# KiCad board Rogelio Pineda - connect 5 AMLDC-2044B.kicad_pcb (continued)
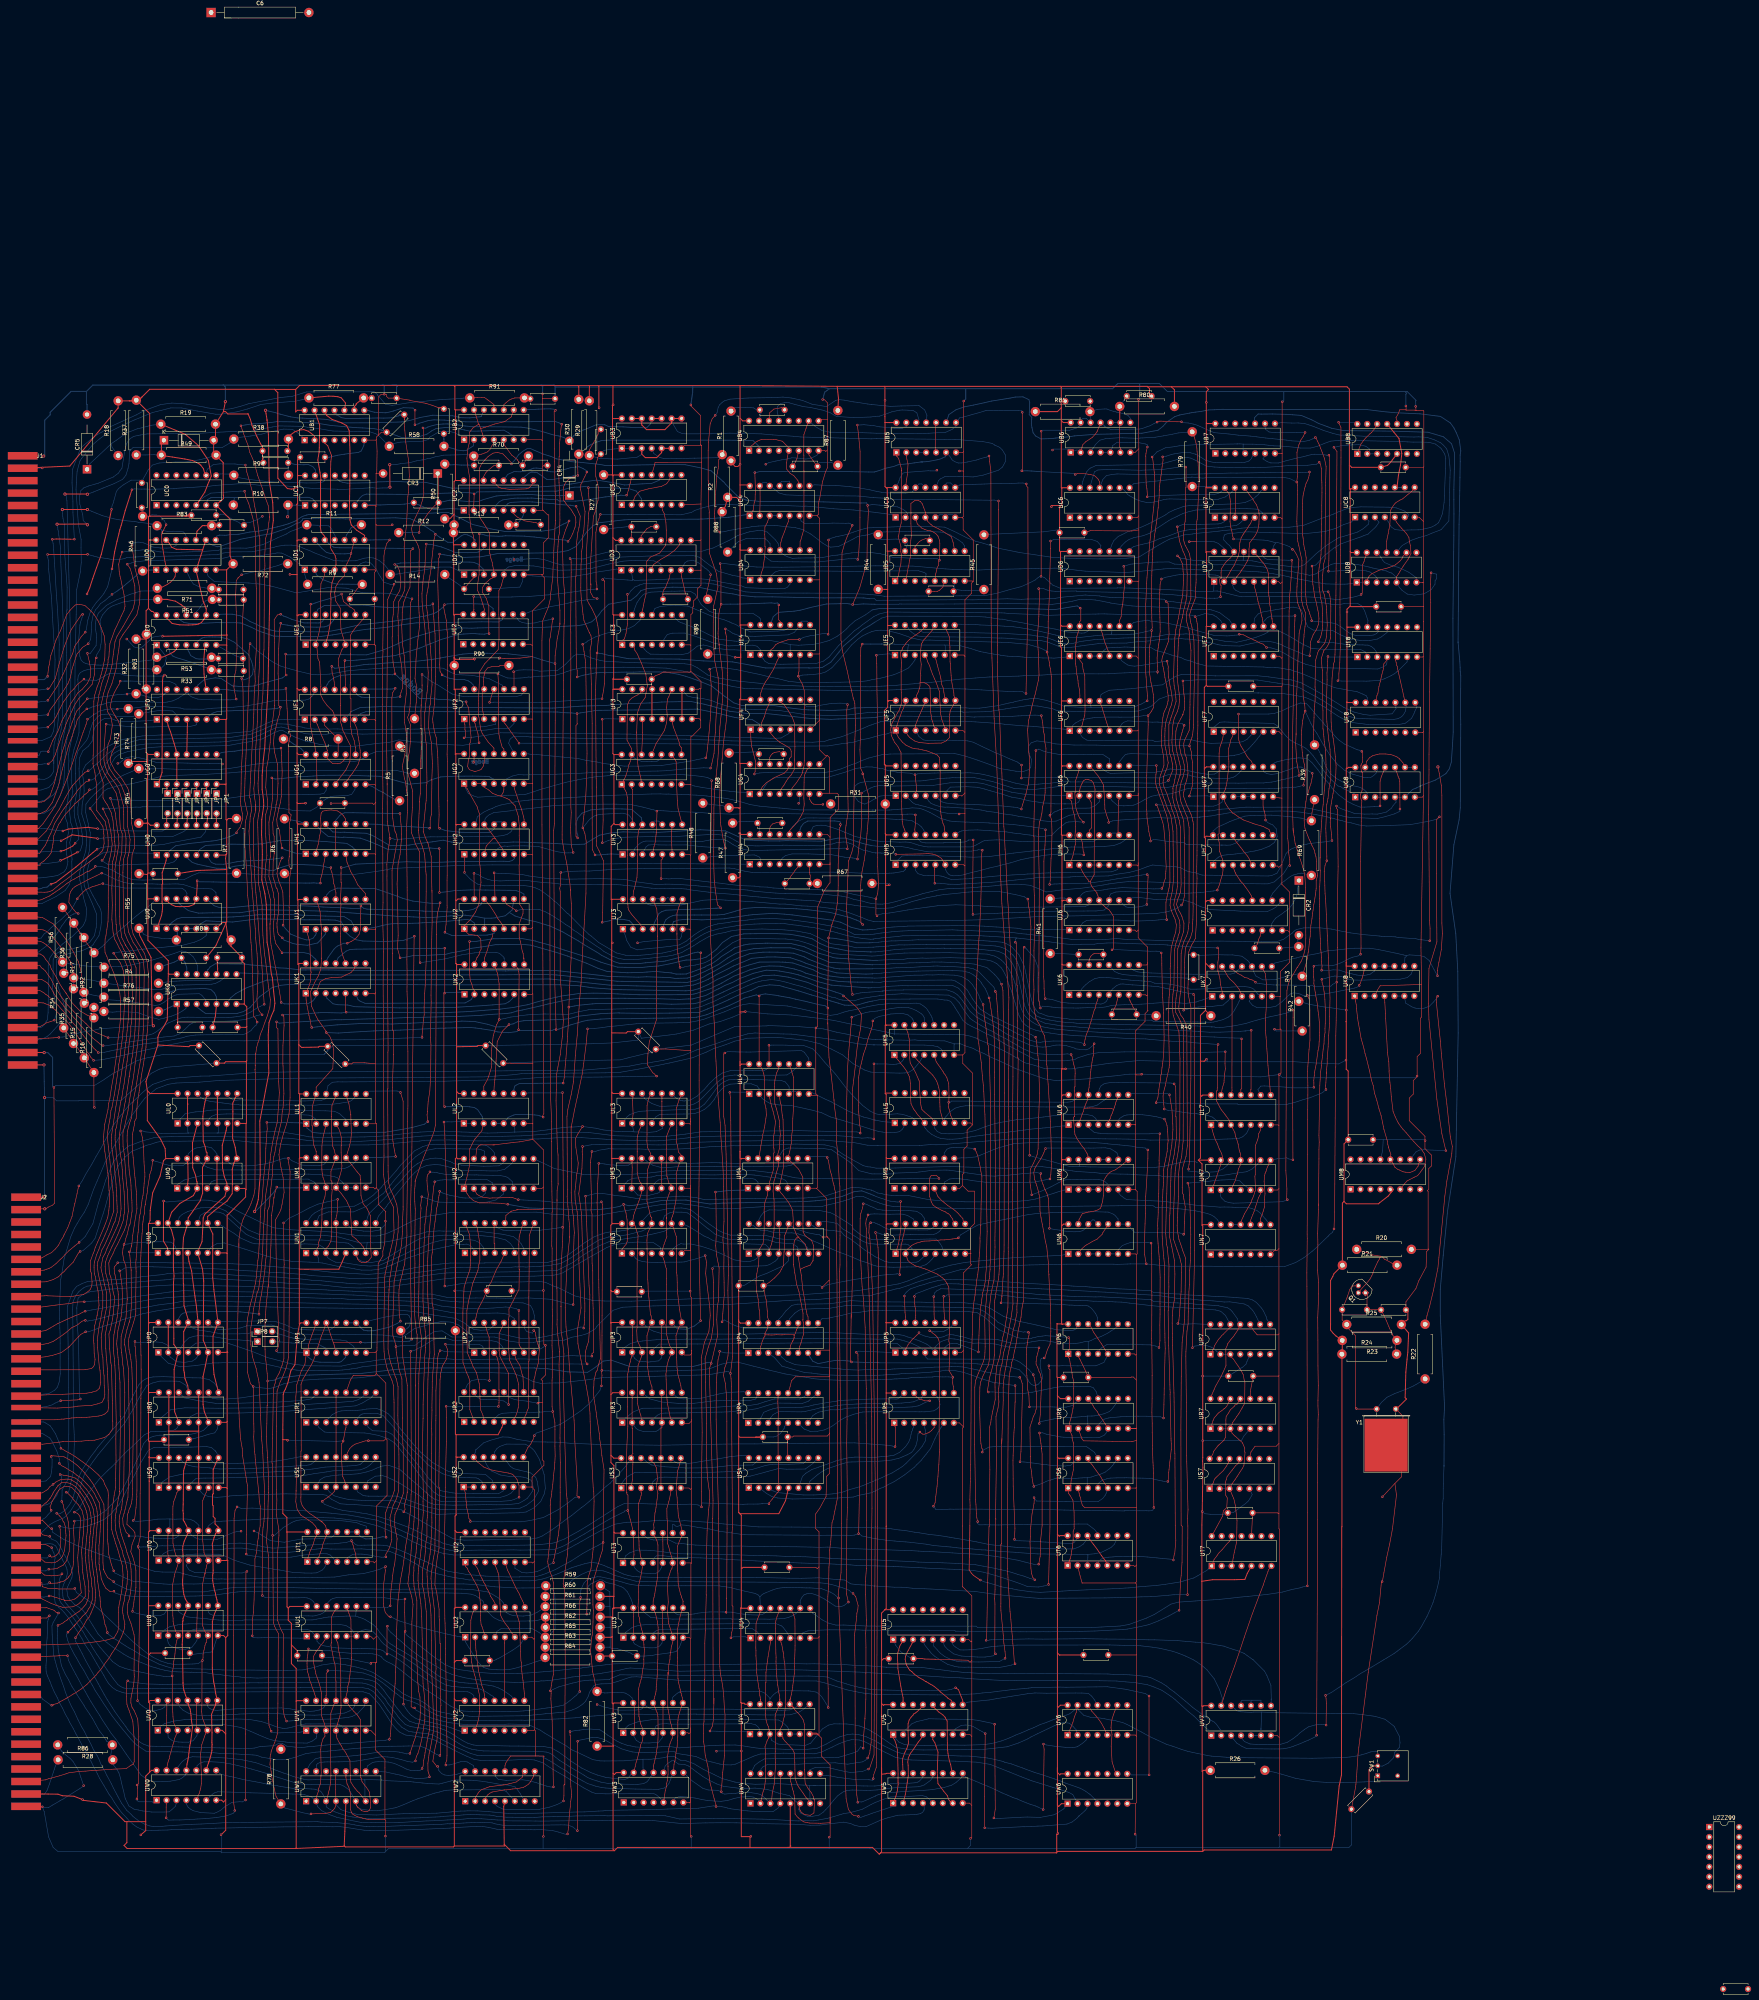
[diagram p0: board, top side]
## Routing (per net, layer and track width the routed paths; a pad name or vN(x,y) marks a point on that pad's centre or on a via; arc(x,y) is an arc through that point) (continued)
  Bottom w0.15: R29.1 223.14,390.72 226.12,390.58 227.71,390.52 232.71,391.01 233.71,391.58 234.01,392.08 UB3.3
B3p8: length 128.4
  Top w0.25: UB3.8 UB3.9 241.54,399.76 239.83,398.05 235.13,398.05 233.92,399.26 UB3.12 UB3.13
  Bottom w0.15: 324.1,394.12 325.41,393.51 326.1,392.82 326.82,391.59 326.85,389.92 326.1,388.5 325.06,387.69 321.12,386.43 318.63,385.97 314.98,386.12 311.38,386.05 310.2,385.46 309.73,385.02 309.47,384.25 UC5.10 ; 293.84,395.77 308.85,395.6 311.24,395.55 313.97,395.59 315.48,395.45 321.08,395 323.45,394.53 324.22,394.05 ; 293.84,395.77 292.61,395.7 274.6,396.17 272.63,396.37 267.3,396.71 264.47,396.97 256.43,397.15 251.78,397 245.24,396.97 244.22,397.07 243.05,397.56 241.96,399.41 UB3.9 ; 293.84,395.77 294.05,395.78
B3p10: length 140.6
  Top w0.15: 176.97,361.41 176.96,361.4 ; 176.97,361.41 177.03,361.47 ; 176.97,361.41 177.03,361.47 ; R3.2 176.3,328.41 176.4,330.31 176.46,332.26 175.99,334.53 176.17,337.19 176.24,339.44 176.53,342.51 176.73,344.48 177.12,347.65 177.08,348.39 177.08,350.5 177.02,351.36 176.9,354.33 176.85,355.73 177.03,361.47 ; 178.15,383.06 178.15,391.74 178.13,391.76 178.13,398.38 v1(178.02,398.49) ; 177.03,361.47 177.03,364.46 177.06,364.5 177.06,367.46 176.79,368.41 176.44,369.18 175.99,369.99 175.39,371.21 175.07,372.79 175.29,373.49 175.58,374.49 176.32,376.07 177.23,378.01 177.94,380.15 178.23,381.96 178.15,383.15
  Top w0.25: UB3.10 UB3.11
  Bottom w0.2: 232.24,398.54 232.28,398.57 ; 232.28,398.57 229.14,398.76 227.76,398.77 227.2,398.87 225.55,398.8 224.48,399.29 222.34,399.32 219.36,398.07 218.54,397.81 217.76,397.37 216.62,396.58 CR4.2 214.07,396.02 212.77,396.43 211.67,396.63 210.82,396.86 209.19,397.37 207.43,397.85 204.89,398.43 203.09,398.69 193.61,398.81 192.26,398.79 190.59,398.82 188.79,398.98 185.99,399.42 184.2,399.52 183.13,399.49 181.59,399.35 180.53,399.12 ; 232.28,398.57 235.21,398.56 236.26,399.63 UB3.11 ; 180.61,399.14 179.29,398.73 178.74,398.43 v1(178.02,398.49)
B4p1: length 23.8
  Top w0.15: UC4.9 273.81,385.07 272.78,386.28 271.83,386.89 270.96,387.96 270.92,389.54 271.15,391.17 UB4.5 271.5,393.37 269.87,395.09 268.24,395.5 267.64,395.58 264.49,395.52 263.95,395.35 263.52,395.13 262.97,394.83 262.67,394.58 262.52,394.38 261.72,393.72 261.72,393.06 UB4.1 261.34,393.14
B4p6: length 4.4
  Top w0.15: C42.1 273.17,389.69 273.57,390.65 UB4.6
B4p7: length 10.8
  Top w0.15: C42.2 278.1,389.58 276.64,391.62 UB4.7
  Bottom w0.15: C42.2 278.83,389.19 279.29,389.65 282.29,389.7 R87.1
B4p10: length 242.7
  Top w0.15: v1(405.09,349.25) 404.95,350.02 404.62,350.96 404.45,351.54 404.19,352.15 403.82,353.45 403.71,354.35 403.57,355.89 403.56,358.53 403.7,365.3 403.4,367.21 403.24,367.77 403.06,368.81 402.92,370.22 402.87,370.62 402.76,371.23 402.76,377.74 402.7,378.29 402.73,379.15 402.89,381.13 403.01,381.73 403.3,383 403.43,383.51 403.68,384.38 404.1,385.16 404.34,385.88 404.44,386.36 v1(404.54,387.25) ; UC6.11 350.95,384.64 350.53,385.41 350.09,385.86 349.57,386.31 348.68,386.56 348.09,386.65 347.25,386.78 345.21,386.85 v1(344.67,386.6) 344.63,386.56 ; 331.38,387.34 331.16,387.56 v1(331.16,402.49) ; UB4.10 275.91,398.41 275.35,396.76 275.32,391.57 275.35,391.54 275.35,387.56 275.37,387.53 275.37,382.12 275.35,372.6 274.98,371.33 274.53,369.74 274.4,369.56 UD4.9
  Bottom w0.15: UC6.11 351.73,385.33 352.66,386.32 354,386.58 355.37,386.74 364.54,386.54 375.46,386.67 376.14,386.73 377.68,386.76 378.53,386.77 379.31,386.81 384.46,386.97 386.01,386.96 392.68,387.07 393.05,387.04 394.52,387.07 399.04,387.09 399.81,387.08 402.28,387.07 402.73,387.07 403.56,387.13 v1(404.54,387.25) ; 422.06,346.43 422.07,346.43 ; 422.06,346.43 421.73,346.02 421.01,345.62 419.93,345.46 416.52,345.46 415.55,345.7 414.46,346.25 413.38,347.07 413.06,347.36 412.66,347.61 411.23,348.51 409.45,348.82 408.7,348.85 406.8,349.01 405.95,349.04 v1(405.09,349.25) ; 422.06,346.43 422.06,347.4 UE8.12 ; v1(344.67,386.6) 344.29,386.88 335.71,387.33 ; UB4.10 278.3,398.81 279.87,397.9 281.97,397.41 290.35,397.27 292.48,397.2 293.92,397.14 304.33,397.09 307.31,397.14 311.62,397.39 312.72,397.9 313.28,398.16 313.91,398.66 314.23,398.98 UB5.8 315.17,401.07 315.9,401.22 318.33,401.91 320.19,402.42 321.78,402.91 321.98,402.91 329.29,403 330.25,402.98 330.92,402.98 331.16,402.75 v1(331.16,402.49)
  Bottom w0.2: 335.71,387.33 333.46,387.49 332.41,387.54 v1(331.01,387.54)
B4p13: length 43.6
  Bottom w0.15: UB5.12 304.76,400.55 304.22,402.34 303.25,402.95 302.94,402.93 301.99,403.02 300.5,403.07 299.73,403.01 297.82,402.6 294.68,401.49 293.59,401.46 292.47,401.28 288.12,401.13 283.68,401.42 283.03,401.8 282.07,402.37 280.38,402.97 277.11,403.69 275.08,403.96 273.01,404.51 271.56,404.91 270.81,405.01 270.45,404.93 269.41,404.75 269.25,404.57 268.88,404.25 268.56,403.85 268.53,402.57 268.72,401.83 UB4.13
B4p14: length 6.5
  Top w0.15: C41.2 269.67,403.66 267.68,403.3 266.63,402.4 266.43,400.31 UB4.14
B4p15: length 10.9
  Top w0.15: 264.12,403.06 C41.1
  Bottom w0.15: UB4.15 264.38,402.22 C41.1 263.29,403.1 262.49,403.62 261.8,403.67 260.36,403.74 258.55,403.74 ; 258.55,403.74 258.53,403.72 ; 258.55,403.74 257.67,403.74 R1.2
B5p1: length 33.9
  Top w0.15: UD5.1 299.5,360.69 299.8,362.45 300.13,363.73 300.2,364.99 300.24,365.54 300.23,366.28 300.11,366.92 300.13,367.39 300.15,368.23 299.45,370.69 299.59,371.12 299.84,372.69 300.22,374.22 300.25,387.72 300.26,387.73 ; 300.25,387.49 300.26,388.05 299.88,389.57 299.56,390.67 299.25,391.11 298.98,391.3 UB5.1
B5p2: length 9.1
  Top w0.15: UB5.2 301.52,391.34 301.56,391.12 301.66,390.53 301.96,389.27 301.8,386.57 301.59,385.32 UC5.13
B5p3: length 2.5
  Bottom w0.15: UB5.3 UB5.4
B5p9: length 513.9
  Top w0.15: v1(408.78,67.2) 408.85,72.79 408.78,73.97 v1(408.65,74.78)
  Bottom w0.15: v1(408.78,67.2) 408.06,67.37 407.59,67.4 406.91,67.37 405.99,67.23 404.28,66.75 403.31,66.13 402.05,65.16 401.45,64.6 400.34,63.73 398.84,62.79 397.2,62.31 391.13,62.26 389.34,62.37 387.94,62.99 387.57,63.39 UV7.4 ; v1(408.65,74.78) 410.15,75.54 412.15,76.87 413.89,78.06 416,79.31 417.67,80.43 418.91,81.11 420.52,82.06 422.02,82.99 423.47,83.85 426.17,85.49 426.95,86.07 427.72,86.66 429.35,87.87 430.22,88.69 430.83,89.36 432.38,91.18 433.16,92.4 433.93,93.81 434.56,94.93 435.46,96.92 436.11,98.5 436.67,100.27 437.31,102.64 437.47,103.48 437.78,104.81 437.81,106.28 437.96,107.85 438.2,110.87 438.31,111.95 438.59,123.89 438.71,125.15 438.71,127.56 438.74,128.77 438.91,133.49
  Bottom w0.2: 442.51,343.8 442.76,373.82 442.94,382.41 442.99,385.83 443.05,389.88 443.04,391.55 443.2,392.62 442.81,395.45 442.04,397.3 441.46,398.46 440.54,399.75 438,401.43 432.76,402.09 431.04,402.16 426,402.4 423.15,402.69 418.88,403.21 386.66,403.21 385.49,403.22 383.74,403.2 382.34,403.24 380.34,403.13 378.79,403.09 376.86,402.71 375.34,402.51 374.4,402.38 373.87,402.27 371.3,401.78 370.1,401.36 368.42,400.21 367.82,399.74 367.6,399.45 367.09,398.9 365.83,397.9 361.73,397.13 358.39,397.09 353.84,396.94 350.24,396.87 348.85,396.79 344.46,396.45 343.28,396.25 339.71,395.91 338.79,395.79 338.14,395.76 335.91,395.69 334.55,396.44 333.92,397.24 333.63,398.54 333.47,399.49 333.59,401.21 332.93,401.87 333.05,405.03 332.84,405.71 331.33,406.42 329.35,406.37 328.02,406.11 323.25,405.34 321.45,404.92 318.64,404.31 316.35,403.87 314.24,403.15 312.42,401.92 UB5.9 ; 442.51,343.8 442.51,343.68 ; 442.51,343.8 442.96,338.77 443.03,337.23 443.05,336.34 443.19,335.16 443.13,326.39 443.19,322.72 443.07,301.46 442.76,298.37 441.43,292.01 440.45,279.64 441.92,269.34 442.43,259.73 442.53,243.97 442.36,235 441.93,212.33 439.83,198.6 438.71,187.14 437.96,178.51 437.96,171.84 439.05,148.42 438.87,145.17 438.95,141.37 438.91,133.28
B6p4: length 267.5
  Top w0.15: v1(400.17,367.49) 400.48,367.36 401.23,366.16 401.83,364.77 401.48,359.83 401.38,358.83 401.37,358.09 401.34,357.85 401.3,356.34 401.31,355.83 401.33,355.54 401.46,353.98 401.86,352.87 402.19,352.01 402.53,350.97 402.62,349.29 401.9,346.07 401.58,339.06 401.48,335.43 401.28,330.59 401.15,324.27 401.12,320.12 ; 385.13,370.11 v1(385.13,370.13) 384.94,370.78 384.91,370.97 384.65,372.31 384.42,373.15 384.24,374.56 384.29,376.96 384.33,379.69 384.25,380.34 383.97,381.72 382.92,383 UC7.13 ; v1(401.86,309.73) 401.86,310.5 401.5,311.8 401.46,312.29 401.28,313.23 401.01,317.9 401.12,320.43 ; v1(363.07,380.89) 363.12,381.39 363,382.99 362.83,383.77 362.72,387.13 362.72,387.92 362.72,391.1 362.69,391.32 362.76,391.99 362.89,392.68 v1(363.11,393.63)
  Bottom w0.15: v1(363.11,393.63) 363.11,394.16 362.58,394.4 360.96,394.72 355.4,394.84 354.25,393.99 UB6.5 UB6.4 ; v1(401.86,309.73) 401.09,309.52 400.11,309.19 399.34,309.06 398.36,308.82 397.44,308.62 395.78,308.21 394.87,308.04 393.53,307.93 392.83,307.81 388.38,307.81 386.34,307.76 385.69,307.78 376.25,307.78 ; 395.92,369.14 396.39,369.23 397.74,368.81 398.64,368.48 399.48,368.16 v1(400.17,367.49) ; 395.92,369.14 394.71,369.52 393.89,369.69 392.9,369.84 390.48,369.95 388.41,369.92 387.22,370.08 v1(385.13,370.13) ; 395.92,369.14 395.46,368.47 395.14,367.62 UD7.8 ; UC7.13 381.94,382.22 381.69,382.03 381.42,381.88 381.11,381.72 380.35,381.55 376.4,381.48 373.9,381.47 366.39,381.22 v1(363.07,380.89) ; 376.39,307.78 375.2,307.77 373.81,307.64 372.96,307.64 370.65,307.23 369.78,306.97 368.25,306.67 367.29,306.6 365.72,306.6 362.06,306.64 360.92,306.73 350.34,306.97 340.07,306.85 335.86,306.34 333.83,306.1 332.35,306.22 329.05,306.42 326.44,307.25 323.63,308.15 318.89,309.18 314.07,309.14 313.3,309.17 312.61,309.08 311.85,309.06 311.16,309.01 310.38,308.95 309.5,308.9 307.86,308.66 306.5,308.49 305.92,308.39 305.02,308.33 294.44,308.16 292.73,308.14 291.45,308.15 289.97,307.97 289.21,307.67 288.43,307.08 288.12,306.06 288.16,304.71 288.45,304.18 288.43,304.18 289.25,303.1 290.25,302.63 290.92,302.43 292.28,303.03 293.11,303.57 293.78,303.85 294.61,304.43 296.21,304.62 296.87,304.66 UG5.1
B6p6: length 18.2
  Top w0.15: UB6.6 356.23,393.21 356.05,393.65 355.97,398.5 UB6.9
  Top w0.25: UB6.9 356.06,400.03 R80.1
  Bottom w0.15: UB6.9 UB6.10 ; R80.1 C7.2 357.31,406.58
B6p11: length 175.4
  Top w0.15: UB6.2 346.43,393.68 346.64,394.25 347.37,394.96 349.05,396.08 349.73,396.84 350.23,397.46 350.31,397.66 350.77,398.74 UB6.11 ; 406.05,396.07 v1(406.05,396.05) 406.07,396.05 406.24,395.88 406.6,395.06 406.91,394.46 407.07,394.12 407.38,393.32 407.81,392.2 408.39,390.63 408.78,388.64 408.66,384.52 408.61,383.82 408.61,381.74 408.53,365.04 408.19,363.86 407.9,360.87 407.86,359.84 407.92,356.95 408.36,355.83 408.88,352.78 408.91,352.12 408.95,351.33 409.07,348.14 408.88,345.22 408.69,344.27 408.35,343.41 408.16,343.17 406.85,341.57 406.64,341.04 406.07,339.06 405.96,332.46 405.97,332.15 406.05,331.7 406,330.31 405.97,328.97 405.84,327.37 405.79,326.55 405.71,325.59 405.7,324.58 405.59,321.48 405.62,320.26 405.56,318.95 R39.2 ; v1(365.59,399.97) 366.32,400.22 367.33,400.2 370.68,400.06 v1(371.84,400.06)
  Bottom w0.15: UB6.2 345.48,392.82 344.89,392.82 UB6.1 343.53,392.91 343.37,393.08 339.05,393.08 338.89,392.91 v1(338.89,392.84) 338.81,392.84 338.85,392.88 ; UB6.11 351.99,399.2 352.18,398.94 352.74,398.5 353.73,398.12 361.07,398.2 361.76,398.34 363.04,398.8 363.82,399.05 364.87,399.64 v1(365.59,399.97) ; 419.09,305.5 419.11,305.5 ; 419.09,305.5 419.31,305.04 UG8.2 ; 419.09,305.5 418.42,306.17 417.93,306.47 417.53,306.67 416.55,306.94 415.3,307.15 412.96,308.09 411.55,308.88 409.91,310.14 408.74,311.95 407.84,314.25 406.85,316.21 R39.2 ; v1(406.05,396.05) 405.37,395.7 404.46,395.32 403.11,395.02 400.01,395.19 398.71,395.38 395.1,395.74 393.25,395.93 391.03,396.22 389.53,396.4 386.33,396.64 383.97,396.94 380.15,397.29 377.98,398.21 376.57,398.87 375.88,399.17 374.93,399.46 373.54,399.75 372.16,399.84 v1(371.84,400.06)
B7p6: length 63
  Top w0.15: v1(409.5,391.53) 409.69,391.09 409.7,390.07 409.65,375.77 409.61,372.57 409.49,364.54 v1(409.38,361.9)
  Bottom w0.15: UB7.6 393.18,391.34 392.64,390.58 393.78,389.87 394.65,389.55 394.73,389.55 396.66,389.54 398.54,390.09 401.31,390.81 402.94,391.13 403.87,391.38 404.05,391.44 404.95,391.65 405.89,391.78 408.35,391.62 408.92,391.54 408.92,391.5 409.47,391.5 v1(409.5,391.53) ; v1(409.38,361.9) 410.59,361.9 411.09,361.93 412.18,362.01 413.18,362.12 415.03,362.16 416.11,362.21 418.03,362.12 419.12,361.96 419.99,361.7 421.24,360.83 421.91,360.02 UD8.3
B7p8: length 80
  Bottom w0.15: UB7.8 397.29,399.84 399.96,399.74 401.71,399.75 403.36,399.6 405.68,398.82 408.11,397.85 410.4,397.13 412.11,396.7 418.47,396.37 420.86,396.36 431.25,396.17 432.44,396.21 434.61,396.06 436.36,395.48 438.06,394.7 438.82,394.03 439.61,393.13 440.15,391.37 440.4,389.01 440.49,387.67 440.43,385.81 440.35,381.94 440.29,380.1 440.26,378.77 440.15,374.73 438.18,372.52 435.82,371.62 434.42,371.02 432.45,370.46 430.56,369.8 428.29,368.51 427.82,368.02 427.4,367.46 426.93,366.65 UD8.10
B7p9: length 227.2
  Top w0.15: v1(403.42,397.33) 402.97,396.36 402.32,395.38 402.03,394.6 401.8,394.14 401.34,392.24 401.46,386.11 v1(401.28,384.68) 401.39,384.26 401.5,383.87 401.48,382.46 401.48,381.5 401.31,374.64 401.34,373.97 401.37,373.24 401.44,370.36 401.55,369.51 401.81,368.41 402.21,366.48 402.61,364.69 402.58,361.38 402.49,359.74 402.44,357.12 402.44,356.15 402.42,355.33 402.53,354.47 402.86,353 403.11,352.31 403.49,351.33 403.58,349.3 403.4,347.79 403.26,346.66 403.13,345.63 403.14,345.17 402.91,342.96 402.79,341.26 402.79,340.78 402.76,336.95 402.82,335.89 402.92,330.18 403.04,329.4 403.21,328.15 403.31,327.77 v1(403.43,326.17) 403.23,325.68 403.11,325.31 402.79,323.69 402.71,323.05 402.53,321.21 402.54,320.1 402.54,317.55 402.58,316.94 402.69,315.62 402.81,314.68 402.94,313.76 403.25,312.44 403.57,309.85 403.03,307.54 v1(403.03,307.23)
  Bottom w0.15: v1(401.28,384.68) 399.45,385.58 398.07,385.84 394.3,385.8 393.39,385.83 378.31,385.79 377.3,385.68 374.5,385.93 374.49,385.92 373.49,385.79 371.69,385.62 369.4,385.36 368.03,385.2 364.9,384.87 363.68,384.75 362.07,384.58 360.01,384.3 359.58,384.21 UC6.8 ; UG6.5 353.95,303.46 354.19,303.19 355.49,302.09 357.09,301.97 358.05,302.02 358.33,302.01 359.64,302.15 360.56,302.54 361.99,303.31 362.52,303.64 364.2,304.43 365.25,304.64 365.81,304.75 367.13,304.85 369.22,305.06 369.54,305.19 371.02,305.6 371.82,305.92 372.88,306.23 373.62,306.39 375.2,306.42 376.08,306.44 376.63,306.39 378.49,306.36 381.09,306.36 383.11,306.38 387.71,306.38 387.96,306.4 388.36,306.34 394,306.34 394.34,306.36 395.55,306.38 396.55,306.47 397.55,306.53 400.57,306.74 400.99,306.73 401.86,306.9 v1(403.03,307.23) ; UB7.9 393.18,398.27 393.37,398.09 394.19,397.46 395.77,397.28 396.96,397.31 401.17,397.26 v1(403.42,397.33) ; UG8.12 421.91,311.13 421.53,310.26 420.92,309.7 420.11,309.17 419.42,309.17 418.41,309.23 415.51,310.07 413.6,310.96 412.96,311.53 411.79,312.47 410.4,314.16 409.74,314.99 408.06,317.57 406.45,320.44 405.6,321.67 404.88,323.06 404.07,324.8 v1(403.43,326.17)
B8p12: length 9.3
  Top w0.15: UB8.12 421.21,398.35 420.44,397.38 420.44,397.35 419.95,396.96 418.99,396.02 418.35,395.29 417.69,394.37 417.13,393.02 UB8.1
B51: length 288.3
  Top w0.15: 89.18,92.9 88,91.6 87.98,91.6 v1(87.31,90.93) 87.36,90.98 ; 89.18,92.9 88.89,92.42 ; 89.18,92.9 90.14,93.95 90.61,94.46 90.99,94.98 91.92,95.82 92.34,96.39 92.54,96.86 92.93,97.37 93.25,98.31 93.52,99.15 93.52,102.1 93.41,102.67 93.33,103.45 93.25,104.72 92.98,106.12 92.81,107.77 92.71,108.66 92.63,110.59 92.68,111.83 92.83,113.78 92.88,113.82 92.89,115.24 93,116.04 93.1,116.68 93.05,116.73 93.3,119.27 93.16,120.76 93.06,121.39 92.66,122.93 92.07,124.05 91.64,124.95 90.66,126.38 90.44,126.77 90.39,126.77 89.29,128.08 87.95,128.89 86.6,129.24 85.65,129.09 84.97,128.49 84.74,128.32 84.74,128.25 84.41,127.82 83.54,126.59 83.44,126.26 83.16,125.77 82.73,125.1 ; v1(182.34,59.43) 182.45,59.54 182.45,65.8 182.51,66.24 182.49,67.53 182.54,72.12 182.63,72.2 182.43,74.59 182.48,76 182.44,77.07 182.44,83.94 182.39,83.98 182.49,84.08 182.49,87.95 182.37,88.07 182.2,94.06 182.14,94.87 182.14,96.75 181.96,98.11 181.51,101.12 181.07,102.95 181.21,106.62 181.41,107.72 181.7,110.17 182.11,112.23 182.24,127.78 182.07,127.95 182.37,155.36 182.49,156.28 182.51,156.96 182.76,157.91 183,158.91 183.98,160.59 184.22,161.6 184.26,161.64 184.26,163.2 184.04,163.76 v1(183.74,164.47) ; 82.73,125.1 82.33,124.62 81.7,123.92 81.54,123.92 80.26,122.64 J2.51 ; 82.73,125.1 82.73,125.15
  Bottom w0.15: v1(183.74,164.47) 184.55,164.36 185.92,164.3 190.25,164.34 191.31,164.42 192.45,164.42 193.3,163.95 UP2.2 ; v1(182.34,59.43) 181.42,59.75 180.46,60.32 179.85,60.64 179.83,60.64 178.87,61.23 178.92,61.2 177.25,61.85 175.69,61.85 174.25,61.86 173.09,61.83 170.08,61.79 169.24,61.79 166.65,61.66 164.25,61.52 161.96,61.32 160.37,61.2 156.68,60.84 155.72,60.75 154.65,60.64 153.69,60.53 152.63,60.42 150.55,60.28 147.92,59.86 146.49,59.37 144.94,58.85 143.18,58.43 142.03,58.35 140.59,58.35 136.74,59.02 135.53,59.49 134.55,59.57 131.58,59.74 130.26,59.83 126.2,59.97 124.51,60.15 117.2,60.29 116.6,60.33 115.19,60.37 113.71,60.37 112.74,60.46 110.28,60.41 109.64,60.42 108.88,60.4 107.24,60.54 104.88,62.1 104.11,62.83 103.34,63.64 100.69,66.86 99.95,67.79 98.68,69.42 97.95,70.48 96.41,72.73 95.39,74.32 94.26,76.03 93.62,77.24 92.4,79.25 91.39,81.12 90.47,82.55 89.93,83.53 89.5,84.33 88.96,85.19 87.98,87.09 87.26,88.78 87,89.83 86.93,90.21 87.08,90.61 v1(87.31,90.93)
B52: length 363.4
  Top w0.15: v1(97.38,90.82) 97.03,92.28 96.76,92.91 96.42,94.72 95.61,97.55 95.57,98.74 95.5,99.92 95.39,100.34 95.29,101.39 94.93,103.79 94.81,105.16 94.61,106.93 ; 363.57,54.32 363.54,54.35 363.54,54.45 v1(363.57,54.48) 363.54,54.52 v1(363.54,74.62) 363.54,74.85 ; 94.61,106.93 94.48,107.6 94.38,108.68 94.29,112.03 94.45,113.87 94.52,115.53 94.61,116.45 94.77,118.38 94.81,118.96 94.82,119.76 94.87,120.45 94.76,121.67 94.67,122.44 94.41,123.29 93.64,125.1 93.45,125.43 93.13,125.91 92.77,126.38 92.01,127.47 91.22,128.31 90.84,128.84 89.93,129.74 89.18,130.29 87.99,130.66 86.83,130.95 86.18,131.01 v1(85.31,131.2) ; 94.61,106.93 94.63,106.92
  Bottom w0.15: v1(363.54,74.62) 362.65,75.22 360.17,75.8 359.44,75.93 357.72,76.32 352.86,76.99 350.01,76.95 342.35,76.87 340.5,76.9 333.58,76.74 332.72,76.64 331.63,76.52 328.7,76.29 326.98,76.06 324.7,75.8 323.08,75.57 320.92,75.4 319.35,75.19 316.93,75.06 315.14,74.94 309.57,74.91 293.59,75.03 ; UW6.8 359.03,54.47 363.57,54.47 v1(363.57,54.48) ; 293.59,75.03 293.72,75.02 ; 293.59,75.03 291.72,75.23 290.57,75.37 289.39,75.58 287.94,75.87 286.35,76.2 284.95,76.63 283.61,77.05 280.62,77.99 278.57,78.47 268.7,78.51 264.63,78.56 258.71,78.55 243.85,78.61 233.52,79.47 232.6,79.54 231.2,79.48 229.99,79.11 227.59,78.28 226.59,77.99 225.96,77.77 223.57,77.73 222.72,77.63 221.99,77.43 221.69,77.22 220.56,75.57 220.31,74.63 219.54,73.24 218.91,72.61 218.38,72.23 217.48,71.63 216.3,71.11 214.46,70.54 212.7,70.4 210.58,70.18 209.42,70.1 209.24,70.08 207.22,69.85 206.18,69.78 204.3,69.57 203.16,69.57 190.72,69.42 189.85,69.46 189.29,69.55 186.42,69.79 185.3,69.97 182.32,70.58 180.84,71.09 180.02,71.62 178.24,72.98 176.94,73.67 176.27,73.87 174.8,74.31 173.54,74.94 172.75,75.37 170.49,77.12 168.79,78.32 165.25,80.64 163.46,81.33 161.02,82.01 158.23,82.6 155.99,82.9 154.62,82.9 152.09,82.53 150.32,81.95 148.49,81.53 147.89,81.41 147.32,81.3 146.01,81.26 143.28,81.13 132.76,81.26 130.1,81.22 126.89,81.27 124.65,81.43 113.96,81.72 112.34,82.19 110.56,82.78 108.05,84.02 105.88,85.16 104.02,86.32 102.91,86.89 102.01,87.44 101.09,88.05 100.57,88.42 100.03,88.78 99.62,88.98 98.95,89.4 98.62,89.67 97.6,90.45 v1(97.38,90.82) ; J2.52 81.97,123.49 83.25,124.26 84.47,125.9 85.12,127.59 85.7,129.56 85.72,130.4 85.68,130.82 v1(85.31,131.2)
BOT: length 158.2
  Top w0.15: v1(169.72,94.87) 169.35,94.87 168.4,95.92 168,97.48 167.92,98.28 168,103.37 168.43,106.79 168.24,107.46 v1(168.47,107.69) ; 83.27,117.33 83.19,117.33 v1(83.16,117.36) 83.13,117.33 82.96,117.33 80.83,119.47 J2.53
  Bottom w0.15: v1(83.16,117.36) 83.45,116.41 86.25,114.59 88.1,113.77 89.56,113.06 91.61,112.24 93.15,111.7 95.86,110.71 97.98,109.92 103.53,108.39 106.34,107.38 109.44,106.47 111.41,106.28 114.07,106.26 115.4,106.27 117.4,105.7 118.95,105.3 119.88,105.14 122.46,104.74 124.84,104.55 125.28,104.5 125.89,104.51 126.57,104.54 127.39,104.5 133.42,104.56 145.46,104.93 146.44,104.93 147.73,104.9 149.73,104.88 150.99,104.92 155.5,105.01 159,105.57 162.79,105.89 165.93,106.67 167.05,107.03 167.93,107.45 v1(168.47,107.69) ; v1(169.72,94.87) 169.99,94.76 171,94.26 171.96,93.8 173.58,93.3 175.37,92.76 176.2,92.48 177.13,92.22 178.18,91.95 179.7,91.53 180.81,91.24 181.76,91.03 182.59,90.81 183.71,90.56 184.25,90.42 186.35,89.97 186.89,89.87 187.39,89.76 187.64,89.73 UU2.1 188.81,88.66 188.85,88.5 189.16,87.97 189.81,86.91 190.13,86.45 190.81,85.21 191.14,84.74 191.34,84.33 192.24,83.15 192.79,82.6 193.51,81.93 194.84,81.5 196.92,81.33 198.5,81.3 200.19,81.43 201.23,81.63 203.14,82.16 204.61,82.58 205.74,82.98 207.01,83.43 208.07,83.74 208.55,84.47 R64.1 209.24,87.05 R63.1
C0p6: length 32.6
  Bottom w0.2: 122.64,378.76 122.93,380.15 123.84,380.67 128.07,380.77 129.84,380.73 ; 129.84,380.73 R10.1 ; 129.84,380.73 131.5,380.74 133.58,380.7 148.85,380.76 149.78,380.41 150.7,379.46 UC1.2
C0p8: length 29.5
  Bottom w0.15: UC0.8 125.53,386.74 126.18,386.74 128.42,386.71 R94.1 130.8,385.81 133.54,385.33 137.87,384.84 140.45,384.66 146.44,384.5 148.13,384.44 150.88,384.46 152.01,384.58 152.67,384.78 152.84,385.09 UC1.12
C1p6: length 336.6
  Top w0.15: UC2.2 190.98,378.88 191.04,379.59 191.1,381.49 191.08,381.52 v1(191.08,381.63) 190.97,381.63 190.95,381.65 ; v1(223.82,272.23) 223.94,274.72 224.13,287.95 223.61,289.12 223.02,290.48 222.4,291.72 222.34,292.95 222.31,292.98 222.31,299.58 222.4,299.67 222.4,306.77 222.28,308.99 222.12,330.22 222.12,331.76 222.28,335.74 222.25,336.93 222.38,337.97 222.4,339.07 v1(222.5,341.02) 222.53,341.05 222.81,344.29 223.02,345.37 222.7,347.97 222.21,350.2 221.14,352.45 220.46,353.55 219.93,354.61 219.84,364.53 219.75,366.02 220.17,373.49 220.28,375.29 220.32,376.65 220.61,377.94 220.33,381.84 v1(220.3,383.24)
  Bottom w0.15: 293.49,348.89 295.23,349.93 296.94,350.41 318.27,350.38 321.76,350.2 325.42,349.66 326.1,349.64 327.4,349.38 331.67,348.63 335.59,347.82 339.53,347.12 342.52,346.4 346.26,346.09 346.99,346.13 347.86,346.51 348.21,346.97 UE6.12
  Bottom w0.2: UC1.6 161.3,379.73 161.85,380.53 162.59,381.26 163.57,381.59 174.64,381.51 182.28,381.78 188.36,381.97 189.69,381.95 191.08,381.78 v1(191.08,381.63) 191.31,381.63 191.83,382.15 212.2,382.36 212.99,382.5 214.44,382.87 215.49,383.16 216.73,383.36 217.95,383.37 219.17,383.52 220.3,383.45 v1(220.3,383.24) 223.53,383.31 228.76,383.07 230.52,383.01 232.54,382.36 233.86,380.36 UC3.3 ; v1(222.5,341.02) 223.86,340.81 225.63,340.36 227.26,340.17 230.49,339.55 243.48,339.45 249.64,338.99 257.07,338.74 265.56,337.19 276.63,337.21 276.67,337.17 279.98,337.28 282.22,338.66 284.32,341.23 285.47,342.78 290.49,347.06 292.05,347.94 293.49,348.89 ; v1(223.82,272.23) 225.74,272.62 226.9,272.98 229.1,272.98 230.71,272.68 231.1,272.34 231.73,271.6 UJ3.2
C1p11: length 85.7
  Bottom w0.2: UC3.10 238.35,385.12 236.44,384.32 234.12,384.21 230.61,383.99 229.54,383.93 226.78,384.47 222.46,385.17 219.15,384.74 216,384.19 212.86,383.77 204.96,383.22 192.46,383.16 186.5,383.12 185.3,383.13 178.6,384.6 174.03,384.68 171.39,384.83 170.81,384.82 166.48,384.71 164.59,384.49 158.69,384.39 157.48,384.61 156.7,384.88 156.15,385.35 UC1.11
C1p13: length 12.2
  Bottom w0.2: UC1.13 150.58,387.62 150.43,387.94 149.86,388.61 148.7,389.15 147.6,389.09 145.44,389.14 C31.2 143.58,386.47 R94.2
C2p4: length 41.2
  Top w0.15: 230.1,381.29 230.04,381.23 v1(230.04,381.32) 230.13,381.32 230.47,382.47 230.94,384.24 231.06,384.62 UC3.13
  Bottom w0.2: v1(230.04,381.32) 229.47,381.23 229.21,381.25 ; 229.27,381.25 228.58,381.32 228.03,381.19 224.59,380.87 222.48,380.52 221.97,380.42 221.61,380.35 219.32,380.03 217.02,379.8 212.82,379.83 212.4,380.15 210.82,380.21 209.58,380.29 205.8,380.58 204.81,380.55 202.29,380.56 201.3,380.53 198.45,380.12 197.5,379.63 196.74,378.8 UC2.4
C2p5: length 390.6
  Top w0.15: v1(363.07,328.79) 363.14,330.04 362.97,332.1 362.79,334.87 362.69,336.03 362.69,337.49 362.65,341.81 362.74,343.64 362.74,347.54 362.73,348.94 362.69,353.53 362.76,354.67 362.92,358.73 363.01,360.19 363.3,363.81 363.47,365.8 363.7,369.19 363.81,369.87 364.03,372 364.2,373.14 364.32,374.45 364.73,378.26 364.96,380.85 365.01,385.3 364.95,386.45 364.87,387.21 364.49,390.59 v1(364.33,391.06) ; v1(217.43,334.88) 217.43,336.52 217.21,337.59 217.04,360.51 217.13,360.6 217.25,366.28 217.25,368.95 217.59,371.81 217.87,373.02 218.04,373.86 218.21,375.97 v1(217.15,378.49)
  Bottom w0.15: v1(364.33,391.06) 365.58,392.38 367.74,393.42 369.98,393.69 371.22,393.92 372.58,394.01 375.42,394.21 376.55,394.23 386.04,394.4 ; UC8.4 424.7,374.47 425.38,373.24 426.4,372.52 428.23,372.34 428.66,372.37 429.68,372.41 430.55,372.44 432.45,372.46 432.95,372.5 435.43,373.06 435.96,373.28 436.79,373.73 437.49,374.27 438.03,375.34 438.53,376.65 438.93,379.4 439.02,381.15 439.29,388.12 439.36,390.69 439.1,391.82 438.13,393.3 436.7,394.38 435.08,394.81 433.29,394.87 ; 386.04,394.4 386.73,394.42 387.59,394.36 387.59,394.35 ; 386.04,394.4 386.16,394.4 ; 433.29,394.87 431.03,394.87 429.52,394.93 428.36,395.01 427.71,395.03 427.11,395.04 415.4,395.28 414.31,395.32 412.07,395.31 409.92,395.11 408.29,394.52 406.53,393.79 404.82,393.35 402.17,393.35 401.57,393.48 398.6,393.75 397.3,393.86 395.43,393.91 394.05,394.07 392.98,394.19 390.87,394.32 390.02,394.35 387.59,394.35 ; 433.29,394.87 433.35,394.87 ; UF6.12 348.61,327.95 348.67,327.6 348.7,327.04 ; 387.59,394.35 387.57,392.51 UB7.4 ; v1(363.07,328.79) 362.58,328.54 361.65,328 361.25,327.87 360.63,327.57 359.15,327.08 356.83,327.11 355.88,327.09 355.56,327.04 354.04,327.04 353.43,327.02 352.26,327.04 348.7,327.04 ; 348.7,327.04 348.2,327.04 347.39,327.02 345.95,327.14 344.65,327.21 342.1,327.3 340.06,328.05 338.33,328.59 337.36,328.89 334.52,329.47 333.48,329.41 332.62,329.22 331.95,329.15 331.16,329 330.42,328.81 329.41,328.63 328.85,328.44 327.76,328.23 324.83,327.54 323.29,327.34 321.72,327.11 320.23,326.92 317.68,326.91 316.86,326.98 314.98,327.01 309.32,327.15 307.96,327.22 307.05,327.22 306.3,327.18 304.61,327.24 298.05,327.14 297.14,327.12 295.36,327.04
  Bottom w0.2: 243.27,335.57 241.26,335.93 239.86,336.16 233.47,336.19 231.83,336.12 230.11,336.13 223.14,335.99 222.22,335.95 220.34,335.59 218.91,335.32 v1(217.43,334.88) ; 243.27,335.57 243.29,335.55 ; 243.27,335.57 245.05,335.09 248.08,334.06 251.83,332.54 255.14,329.92 257.42,328.29 259.39,327.63 267.4,327.64 271.38,327.02 275.12,326.57 276.54,326.48 282.06,326.35 282.28,326.33 283.32,326.37 286.71,326.54 288.14,326.96 293.39,327.12 295.36,327.04 ; v1(217.15,378.49) 215.61,378.74 ; UC2.5 199.06,378.42 199.49,378.89 199.7,379.16 200.36,379.47 203.59,379.63 205.97,379.59 211.24,379.16 212.98,378.92 215.83,378.74
C2p6: length 8.5
  Top w0.15: C15.2 206.91,374.29 206.27,374.39 203.96,374.77 202.22,375.65 201.61,376.17 201.14,376.64 UC2.6
C2p7: length 6.2
  Bottom w0.2: R13.2 200,373.77 C15.1 202.67,374.6 203.4,375.65 203.5,375.86 203.68,376.31 UC2.7
C2p10: length 134.6
  Top w0.15: UE2.12 193.4,351.62 193.78,351.99 193.32,353.42 192.76,355.23 192.01,356.91 191.99,358.58 192.37,361.07 192.35,363.07 192.39,363.63 v1(192.39,371.44) 192.44,371.53 ; v1(215.08,369.51) 215.72,370.36 216.29,371.53 216.74,372.76 216.89,373.16 217.09,374.27 217.04,375.64 216.81,376.09 216.25,376.99 215.95,377.53 215.41,378.14 215.19,378.44 214.92,378.63 214.58,379.15 214.4,379.44 214.14,379.79 213.9,379.99 213.9,383.29 214.17,383.98 214.53,384.62 215.04,385.15 215.48,385.53 216.31,385.96 v1(217.59,386.35) 217.61,387.16 217.53,388.8 217.54,390.31 R30.1
  Bottom w0.2: UB4.2 264.08,393.56 262.4,395.23 261.83,395.3 255.23,395.36 224.94,395.37 223.54,395.23 221.7,394.62 220.79,394.15 219.98,393.63 219.23,392.83 R30.1 ; v1(192.39,371.44) 193.2,371.33 193.37,371.28 193.84,371.13 194.39,370.95 197.46,370.82 198.26,370.85 199.11,370.94 203.92,370.86 205.29,370.71 206.43,370.65 207.13,370.55 211,370.11 214.46,369.85 v1(215.08,369.51) ; v1(217.59,386.35) 217.48,386.35 216.51,386.3 215.94,386.1 214.76,385.89 211.04,385.33 209.67,385.34 207.92,386.57 207.12,387.12 206.45,387.16 206.04,387.19 205.78,387.21 205.1,386.94 204.24,386.2 203.68,385.83 UC2.10
C2p12: length 129.5
  Top w0.15: v1(221.98,289.43) 221.28,290.84 221.23,309.86 221.25,323.03 221.04,333.09 220.91,337.05 220.82,338.02 220.73,341.78 221.14,343.89 220.94,345.44 220.49,346.29 ; 220.53,346.2 219.16,349.28 218.92,350.87 218.47,354.89 218.35,356.91 218.35,357.79 218.4,363.61 218.52,364.83 218.55,366.84 218.76,368.17 218.85,370.99 219.12,372.22 219.44,377.13 218.29,382.79 218.37,384.05 219.41,386.13 v1(219.91,387.23)
  Bottom w0.2: 218.91,388.12 219.91,387.51 v1(219.91,387.23) ; UC2.12 199.66,386.61 201.29,387.33 202.94,387.29 204.5,387.57 205.76,387.99 206.31,388.22 207.01,388.24 208.25,388.13 209.7,387.47 210.65,387.3 211.77,387.27 213.81,387.76 215.75,388.33 217.88,388.57 218.96,388.11 ; UH3.1 226.09,289.68 225.14,289.62 223.83,289.51 223.23,289.43 v1(221.98,289.43)
